# Altium PCB qudong.PcbDoc
Units mil, origin at the board's own origin, x right, y up, seen from the top; angles counter-clockwise.
Board outline 6000 x 4000 mil, 2 copper layers (Top Layer, Bottom Layer); 53 components, 35 nets, 155 pads, 45 vias.
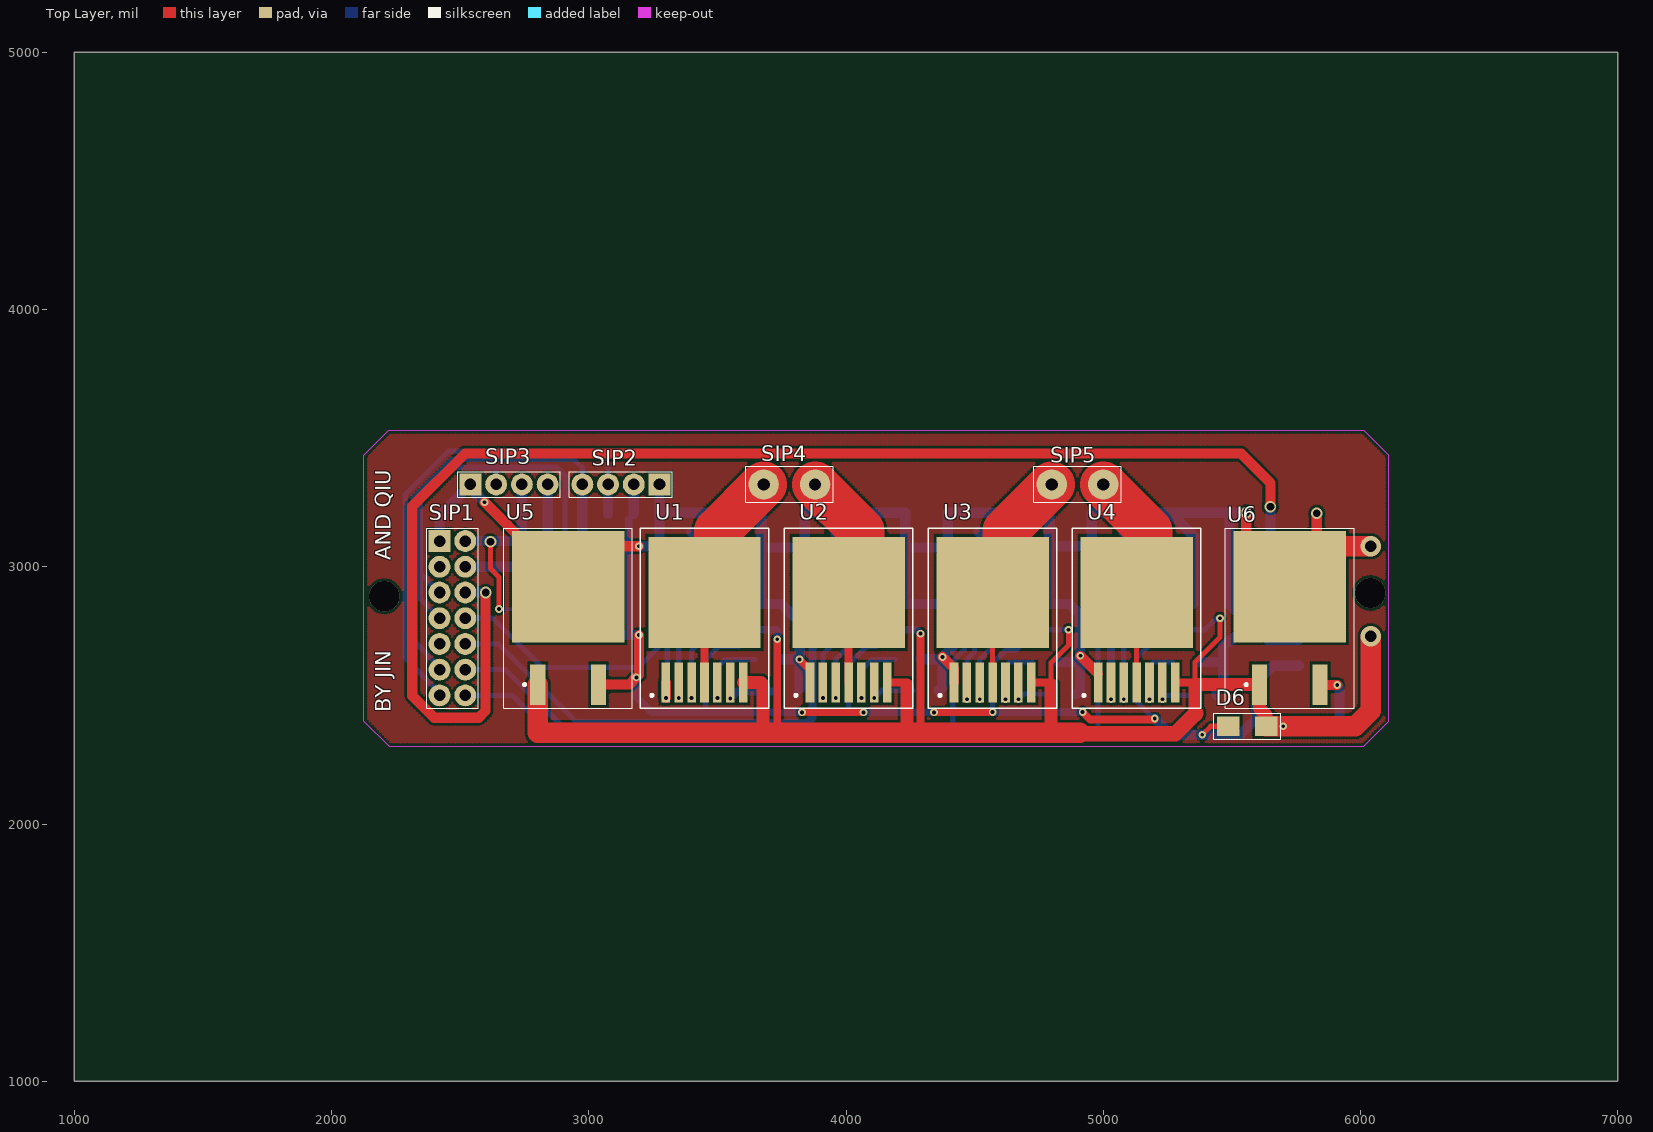
[diagram p0: Top Layer view]
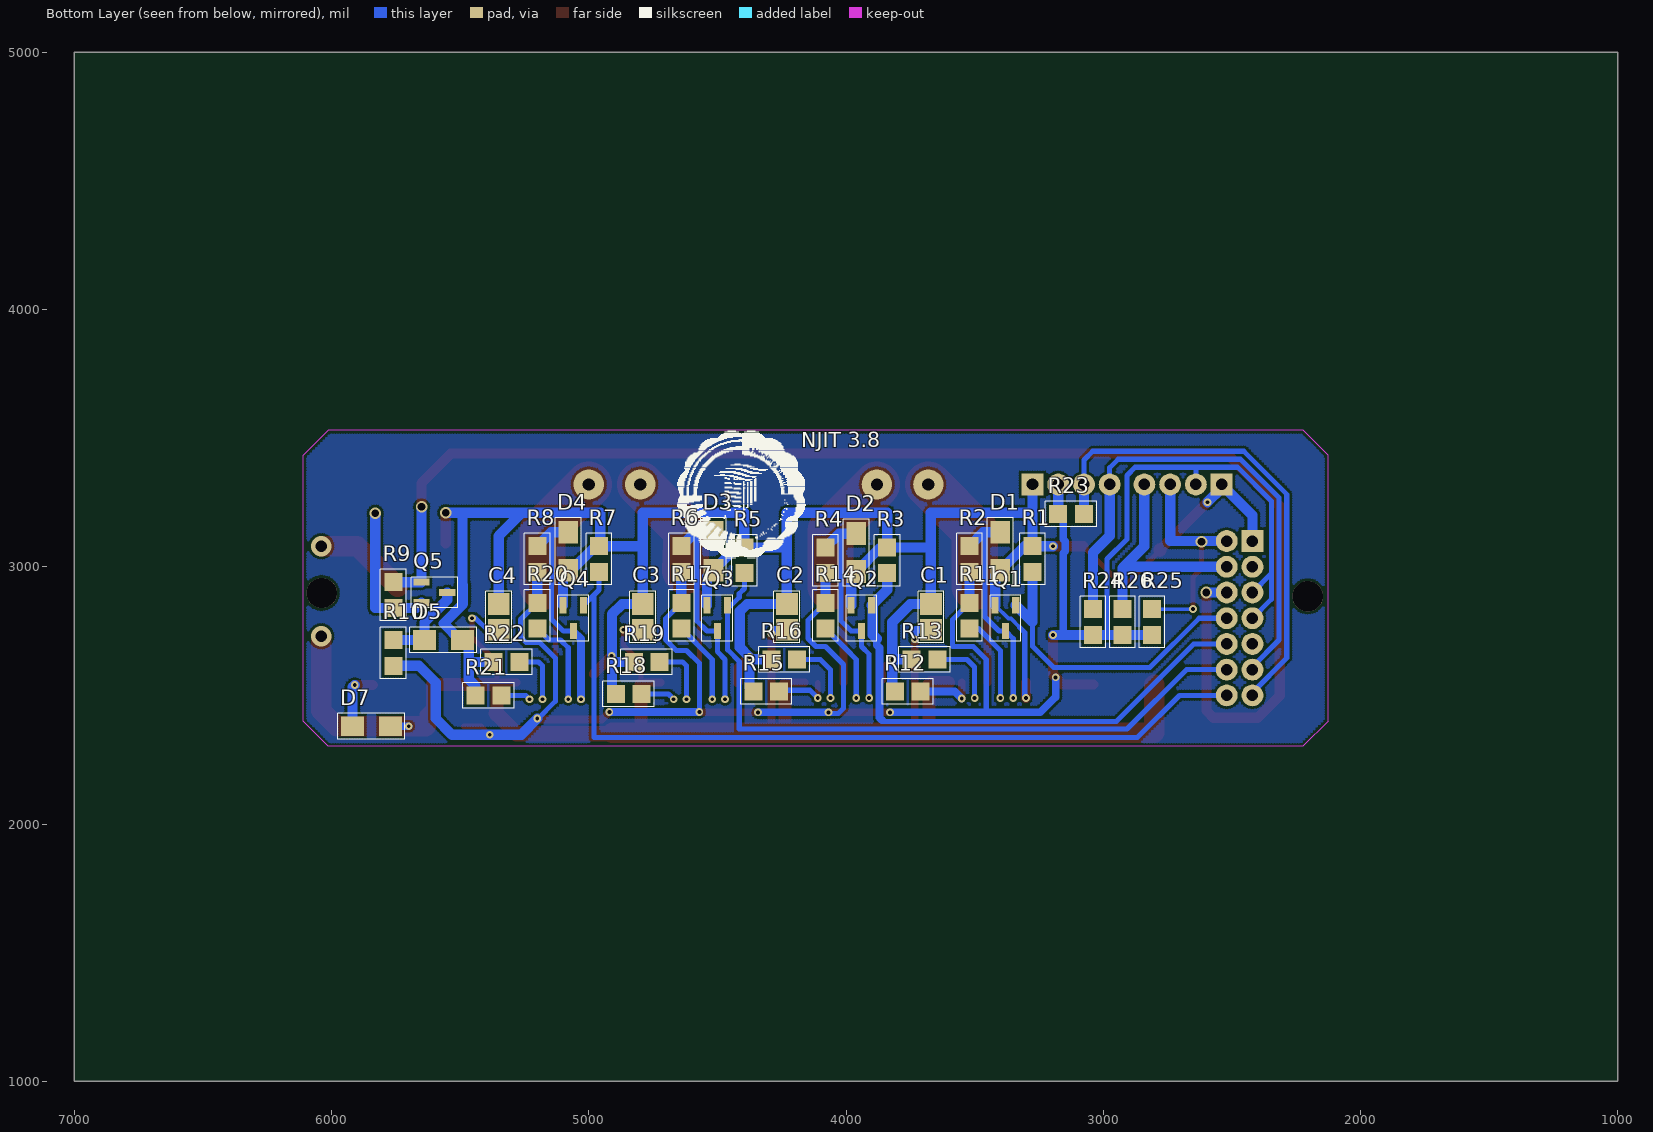
[diagram p1: Bottom Layer view, seen from below]

## Layer stack, top to bottom
Top Layer: signal copper 1.4
Dielectric: dielectric 12.6, FR-4, Dk 4.8
Bottom Layer: signal copper 1.4

## Board outline
1000,1000 7000,1000 7000,5000 1000,5000

## Design rules (kind name [scope] priority, off if disabled: settings)
Clearance [All] p1: gap=10
PolygonConnect [All] p1: connectstyle=Relief reliefconductorwidth=10 reliefentries=4 polygonreliefangle="90 Angle"
RoutingVias [All] p1: holewidth=15 width=30 viastyle="Through Hole" minholewidth=10 minwidth=20 maxholewidth=20 maxwidth=50
SilkscreenOverComponentPads [All] p1: minsilkscreentomaskgap=10
SolderMaskExpansion [All] p1: expansion=4
Width [All] p1: maxlimit=1000 minlimit=10 preferedwidth=20
27 further rules are at their usual default settings.

## Components (designator, comment, footprint, x,y, rotation, side; value= is the part's Value field where it differs from the comment)
C1 "470NF" CAP-T 3670,2755 r90 bottom
C2 "470NF" CAP-T 4230,2755 r90 bottom
C3 "470NF" CAP-T 4790,2755 r90 bottom
C4 "470NF" CAP-T 5350,2755 r90 bottom
D1 "SS24" SS24 3400,3060 r90 bottom
D2 "SS24" SS24 3960,3055 r90 bottom
D3 "SS24" SS24 4515,3060 r90 bottom
D4 "SS24" SS24 5080,3060 r90 bottom
D5 "SS24" SS24 5565,2715 r0 bottom
D6 "SS24" SS24 5560,2380 r0 top
D7 "SS24" SS24 5845,2380 r180 bottom
Q1 "SI2302" SI2302 3380,2800 r0 bottom
Q2 "SI2302" SI2302 3940,2800 r0 bottom
Q3 "SI2302" SI2302 4500,2800 r0 bottom
Q4 "SI2302" SI2302 5060,2800 r0 bottom
Q5 "SI2302" SI2302 5600,2900 r270 bottom
R1 "4.7K" RES-T 3275,3080 r270 bottom
R2 "4.7K" RES-T 3520,3080 r270 bottom
R3 "4.7K" RES-T 3840,3075 r270 bottom
R4 "4.7K" RES-T 4080,3075 r270 bottom
R5 "4.7K" RES-T 4395,3075 r270 bottom
R6 "4.7K" RES-T 4640,3080 r270 bottom
R7 "4.7K" RES-T 4960,3080 r270 bottom
R8 "4.7K" RES-T 5200,3080 r270 bottom
R9 "4.7K" RES-T 5760,2840 r90 bottom
R10 "4.7K" RES-T 5760,2715 r270 bottom
R11 "10K" RES-T 3520,2860 r270 bottom
R12 "1K" RES-T 3810,2515 r180 bottom
R13 "0" RES-T 3745,2640 r180 bottom
R14 "10k" RES-T 4080,2760 r90 bottom
R15 "1K" RES-T 4360,2515 r180 bottom
R16 "0" RES-T 4290,2640 r180 bottom
R17 "10k" RES-T 4640,2760 r90 bottom
R18 "1K" RES-T 4895,2505 r180 bottom
R19 "0" RES-T 4825,2630 r180 bottom
R20 "10k" RES-T 5200,2760 r90 bottom
R21 "1K" RES-T 5440,2500 r180 bottom
R22 "0" RES-T 5370,2630 r180 bottom
R23 "4.7K" RES-T 3075,3205 r0 bottom
R24 "4.7K" RES-T 3040,2835 r270 bottom
R25 "4.7K" RES-T 2810,2835 r270 bottom
R26 "4.7K" RES-T 2925,2835 r270 bottom
SIP1 "SIP7*2" SIP7*2 2420,3100 r0 top
SIP2 "SIP4" SIP4 3275,3320 r270 top
SIP3 "SIP4" SIP4 2540,3320 r90 top
SIP4 "OUT1" SIP2-3MM 3680,3320 r0 top
SIP5 "OUT2" SIP2-3MM 4800,3320 r0 top
U1 "BTN7971" BTN7971 3500,2800 r0 top
U2 "BTN7971" BTN7971 4060,2800 r0 top
U3 "BTN7971" BTN7971 4620,2800 r0 top
U4 "BTN7971" BTN7971 5180,2800 r0 top
U5 "LM7805-T" LM7805-T 2920,2900 r0 top
U6 "LM7805-T" LM7805-T 5725,2900 r0 top

## Footprints (in the part's own frame and the unit in brackets; to place one, negate y for a bottom-side part, rotate by r counter-clockwise, add the part's x,y. Pads: shape width x height; smd on the part's side, far side on the other; paste and mask are expansions set on the pad)
BTN7971 [mm] "TO, 8-Pads, Body 9.5x11.0mm (max), IPC Medium Density"
  rect 0.85x3.95 smd: 1(-5.08,-6.35) 2(-3.81,-6.35) 3(-2.54,-6.35) 4(-1.27,-6.35) 5(0,-6.35) 6(1.27,-6.35) 7(2.54,-6.35)
  rect 11.1x11 smd: 8(-1.27,2.54)
  silkscreen extent -7.62,-8.89 5.08,8.89
CAP-T [mil]
  rect 85x85 smd: 1(0,0) 2(100,0)
  silkscreen extent -50,-50 150,50
LM7805-T [mm] "TO, 3-Pads, Body 9.0x11.0mm (max), IPC Medium Density"
  rect 11.1x11 smd: 1(0,0.56)
  rect 1.5x4 smd: 2(-3,-9.09) 3(3,-9.09)
  silkscreen extent -6.35,-11.43 6.35,6.35, body extent -5.5,-4.59 5.5,4.41, height 5
RES-T [mil]
  rect 70x70 smd: 1(0,0) 2(100,0)
  silkscreen extent -50,-50 150,50
SI2302 [mm] "SOT23, 3-Leads, Body 3.0x2.6mm (max), Pitch 0.90mm, IPC Medium Density"
  rect 0.7x1.6 smd: 1(-1.016,-1.27) 2(1.016,-1.27) 3(0,1.27)
  silkscreen extent -1.52,-2.29 1.52,2.29
SIP2-3MM [mm]
  round 3 hole 1.2: 1(0,0) 2(5.08,0)
  silkscreen extent -1.78,-1.78 6.86,1.78
SIP4 [mil]
  rect 85x85 hole 45: 1(0,0)
  round 85 hole 45: 2(0,-100) 3(0,-200) 4(0,-300)
  silkscreen extent -50,-350 50,50
SIP7*2 [mil]
  rect 85x85 hole 45: 1(0,0)
  round 85 hole 45: 2(0,-100) 3(0,-200) 4(0,-300) 5(0,-400) 6(0,-500) 7(0,-600) 8(100,-600) 9(100,-500) 10(100,-400) 11(100,-300) 12(100,-200) 13(100,-100) 14(100,0)
  silkscreen extent -50,-650 150,50
SS24 [mm] "Molded Capacitor, 2-Leads, Body 4.5x3.0mm, IPC Medium Density"
  rect 2.25x1.95 smd: 1(-1.875,0) 2(1.875,0)
  silkscreen extent -3.3,-1.27 3.3,1.27

## Part data
C1 C2 C3 C4: library part CAP-T
R1 R2 R3 R4 R5 R6 R7 R8 R9 R10 R11 R12 R13 R14 R15 R16 R17 R18 R19 R20 R21 R22 R23 R24 R25 R26: library part RES-T
SIP4 SIP5: library part SIP2

## Free pads (board coordinates)
  round 118.11 hole 118.11: 0(6038,2898) 3(2205,2885)

## Via types
v1: diameter 30, hole 15, Top Layer to Bottom Layer, 38 vias
v2: diameter 45, hole 30, Top Layer to Bottom Layer, 5 vias
v3: diameter 80, hole 45, Top Layer to Bottom Layer, 2 vias

## Nets (pads, with @x,y where several pads share a name; then routed paths per layer and width w, separated by ;. In a path a pad name is that pad's centre, name@x,y a point inside that pad or via, vN(x,y) a via of type N, cw(c..) or ccw(c..) an arc to the next point about the centre after c; other vN are vias at no path point)
GND: C1.2 C2.2 C3.2 C4.2 D1.1 D2.1 D3.1 D4.1 D5.1 Q1.2 Q2.2 Q3.2 Q4.2 Q5.2 R1.1 R3.1 R5.1 R7.1 R9.1 R12.1 R13.1 R15.1 R16.1 R18.1 R19.1 R21.1 R22.1 SIP1.1 SIP2.1 SIP3.1 U1.1 U2.1 U3.1 U4.1 U5.1 U6.1 | length 11826.2
  Top Layer w20: 2637.05,3205 2778.95,3063.1 U5.1 U5.1@3077.95,3080
  Top Layer w30: v1(3819,2640) 3860,2599 U2.1@3860,2560
  Top Layer w40: v1(2595,3251) U5.1@2778.95,3067.05 ; U5.1@3077.95,3080 v1(3195,3080) ; v1(3300,2490) U1.1 ; v1@4375,2650 4420,2605 U3.1 ; v1@4910,2653.46 U4.1@4980,2583.46 ; U6.1@5556.29,3090.76 v2(5556.29,3210) ; U6.1@5742.05,2922.05 U6.1 5830,3027.05 v2(5830,3208)
  Top Layer w50: U5.1@2778.95,3063.1 U5.1@2778.95,3067.05
  Top Layer w80: U6.1@5742.05,2922.05 5900,3080 v3(6040,3080)
  Bottom Layer w15: 3325,2765.02 3358.97,2799 3369,2799 Q1.2
  Bottom Layer w20: SIP3.1@2535,3315 SIP3.1 ; v1(3300,2490) 3305,2495 3305,2745 3325,2765 ; R12.1 3820,2525 3830,2535 3830,2590
  Bottom Layer w40: SIP1.1 2420,3200 SIP3.1@2535,3315 ; SIP3.1@2540,3306 v1(2595,3251) ; v1(3195,3080) R1.1 ; SIP2.1 3275,3210 ; Q1.2 3420,2966.18 3306.18,3080 R1.1 ; 3670,3075 R3.1 ; 3670,3201 C1.2 3750,2855 3820,2785 v1@3820,2640 ; 3670,3210 3275,3210 ; R13.1 v1(3819,2640) v1@3820,2640 ; R12.1@3820,2525 v1@3820,2640 ; 3840,3201 R3.1 ; 3840,3210 4230,3210 4230,3075 ; Q2.2 3980,2961.18 D2.1 3866.18,3075 R3.1 ; R16.1 4366.33,2640 v1@4375,2648.67 ; R15.1 R15.1@4365,2520 ; R15.1@4360,2520 R15.1@4365,2520 ; Q3.2 4540,2961.18 D3.1 4426.18,3075 R5.1 ; 4790,3080 R7.1 4973.82,3080 D4.1@5073.82,2980 ; R19.1 4904.12,2630 4905.29,2631.18 ; R18.1 4910,2520 4910,2630 ; v1@4910,2654 4910,2815 4870,2855 C3.2 4790,3210 4395,3210 R5.1 ; R7.1@4955,3085 4955,3210 5260,3210 ; D4.1 D4.1@5073.82,2980 ; Q4.2 5100,2960 5080,2980 D4.1@5073.82,2980 ; C4.2 5350,3120 5260,3210 ; R22.1 5465,2630 ; R21.1 5440,2536 5467,2563 5467,2690.82 D5.1 5500.06,2715 5564.53,2779.47 5488.5,2855.5 5488.5,2928.88 5491.18,2931.56 5491.18,3204.82 5486,3210 ; v2(5556.29,3210) 5486,3210 ; Q5.2 5670,2840 R9.1 5830,2840 v2(5830,3208) ; R1.1 3275,3210 ; 4230,3075 R5.1 ; 4230,3075 C2.2 4385,2855 4413,2827 4413,2686.67 v1(4375.17,2648.83) v1@4375,2648.67 ; R15.1@4365,2520 4375,2530 v1@4375,2648.67 ; 5260,3210 5486,3210
  Bottom Layer w50: SIP3.1@2540,3306 SIP3.1
  other v1: 4911,2654
NetR11_2: R11.2 U1.3 | length 400.2
  Top Layer w20: v1(3400,2490) U1.3
  Bottom Layer w20: v1(3400,2490) 3400,2675 3485,2760 R11.2
NetR12_2: R12.2 U1.6 | length 233.2
  Top Layer w30: v1(3550,2488) U1.6
  Bottom Layer w30: v1(3550,2488) 3577,2515 R12.2
NetR13_2: R13.2 U1.5 | length 340.4
  Top Layer w20: v1(3500,2490) U1.5
  Bottom Layer w20: v1(3500,2490) 3500,2610 3530,2640 3600,2640 ; 3597,2640 3600,2640 ; R13.2 3600,2640
NetR14_1: R14.1 U2.3 | length 319.7
  Bottom Layer w20: v1(3960,2490) 3960,2640 4000,2680 R14.1
NetR15_2: R15.2 U2.6 | length 222.4
  Top Layer w20: v1(4110,2490) U2.6
  Bottom Layer w20: v1(4110,2490) 4140,2520 R15.2@4260,2520
NetR16_2: R16.2 U2.5 | length 343.6
  Top Layer w20: v1(4060,2490) U2.5
  Bottom Layer w20: v1(4060,2490) 4060,2600 4100,2640 R16.2 R16.2@4163,2640
NetR17_1: R17.1 U3.3 | length 324.7
  Bottom Layer w20: v1(4520,2485) 4520,2640 R17.1
NetR18_2: R18.2 U3.6 | length 133.3
  Bottom Layer w20: v1(4670,2485) 4690,2505 R18.2
NetR19_2: R19.2 U3.5 | length 241.2
  Bottom Layer w20: v1(4620,2485) 4620,2615 4635,2630 R19.2
NetR20_1: R20.1 U4.3 | length 351.1
  Bottom Layer w20: v1(5080,2485) 5080,2685 5110,2715 5155,2715 R20.1
NetR21_2: R21.2 U4.6 | length 116.2
  Bottom Layer w20: v1(5230,2485) 5245,2500 R21.2
NetR22_2: R22.2 U4.5 | length 226.2
  Bottom Layer w20: v1(5180,2485) 5180,2615 5195,2630 R22.2
OUT1: SIP4.1 U1.4 U1.8 | length 822.5
  Top Layer w30: U1.4 U1.8
  Top Layer w180: U1.8@3500,2922.05 3500,3140 SIP4.1
OUT2: SIP4.2 U2.4 U2.8 | length 822.5
  Top Layer w30: U2.4 U2.8
  Top Layer w180: SIP4.2 4060,3140 U2.8@4060,2922.05
OUT3: SIP5.1 U3.4 U3.8 | length 824.5
  Top Layer w20: U3.4 U3.8
  Top Layer w40: U3.8@4620,2922.05 4620,2980.33 U3.8@4624.7,2985.03
  Top Layer w180: U3.8@4624.7,2985.03 4620,3140 SIP5.1
OUT4: SIP5.2 U4.4 U4.8 | length 824.6
  Top Layer w20: U4.4 5130,2895 U4.8@5135,2900
  Top Layer w180: SIP5.2 5180,3140 U4.8@5180,2922.05
PWM1: D1.2 Q1.3 R2.1 U1.2 | length 900.1
  Top Layer w20: v1(3350,2490) U1.2
  Bottom Layer w20: v1(3350,2490) 3350,2720 Q1.3 3405,2750 3460,2805 3460,3127.64
  Bottom Layer w40: D1.2 3466.18,3133.82 R2.1
PWM1_: Q1.1 R1.2 SIP1.11 | length 1249.7
  Bottom Layer w20: SIP1.11 2626.97,2800 2818.86,2608.11 3192.11,2608.11 3275,2691 3275,2785
  Bottom Layer w40: R1.2 3275,2785 Q1.1
PWM2: D2.2 Q2.3 R4.1 U2.2 | length 854.3
  Bottom Layer w20: v1(3910,2490) 3910,2660 3940,2690 Q2.3 3980,2750 4020,2790 4020,3122.64 4026.18,3128.82 ; D2.2@3958.82,3130 D2.2
  Bottom Layer w40: D2.2 4026.18,3128.82 R4.1
PWM2_: Q2.1 R3.2 SIP1.10 | length 2077.1
  Bottom Layer w20: SIP1.10 2648,2700 2949,2399 3860,2399
  Bottom Layer w30: 3860,2404 3870,2414 3870,2685 3880,2695 3880,2720
  Bottom Layer w40: R3.2 3840,2910 Q2.1 3896.22,2846.22 3896.22,2736.22 3880,2720
PWM3: D3.2 Q3.3 R6.1 U3.2 | length 867.7
  Bottom Layer w20: v1(4470,2485) 4470,2640 4500,2670 Q3.3 4540,2750 4580,2790 4580,3127.64 4586.18,3133.82
  Bottom Layer w40: D3.2 4586.18,3133.82 R6.1
PWM3_: Q3.1 R5.2 SIP1.9 | length 2642.2
  Bottom Layer w20: SIP1.9 2676.57,2600 2907.57,2369 4415,2369 4415,2632.1 4460,2677.1 4460,2836.57 4415,2881.57 4415,2895 4395,2915 R5.2
PWM4: D4.2 Q4.3 R8.1 U4.2 | length 862.6
  Bottom Layer w20: Q4.3 5098.79,2750 5145,2796.21 5145,3132.64 5146.18,3133.82
  Bottom Layer w30: v1(5030,2485) 5030,2720 Q4.3
  Bottom Layer w40: D4.2 5146.18,3133.82 ; 5145,3132.64 5147.36,3132.64 R8.1
PWM4_: Q4.1 R7.2 SIP1.8 | length 3236.8
  Bottom Layer w20: SIP1.8 2704,2500 2868,2336 4980,2336 4980,2890 ; R7.2 4960,2910 4980,2890 ; Q4.1 4980,2890
SERVO_PWM: D5.2 Q5.3 R10.1 | length 343
  Bottom Layer w40: Q5.3 5550,2872.3 5638.82,2783.48 D5.2 R10.1
SERVO_PWM_: Q5.1 R9.2 SIP1.12 | length 5571.3
  Top Layer w40: v2@2598.5,2900 2598.5,2439.5 2572,2413 2399,2413 2314,2498 2314,3235 2519,3440 5536,3440 5650,3326 v2(5650,3233)
  Bottom Layer w40: SIP1.12 v2(2599,2900) ; v2(5650,3233) Q5.1 R9.2
T1: R24.1 SIP1.6 SIP2.4 | length 2022.4
  Bottom Layer w20: SIP1.6 2420,2611.61 2316.5,2715.11 2316.5,3268.5 2466,3418 2942,3418 2975,3385 SIP2.4
  Bottom Layer w40: SIP2.4 2975,3120 3040,3055 R24.1
T2: R23.1 SIP1.7 SIP2.3 | length 1918.8
  Bottom Layer w20: SIP1.7 2420,2511.61 2286.5,2645.11 2286.5,3281.5 2454,3449 3041,3449 3075,3415 SIP2.3
  Bottom Layer w40: R23.1 SIP2.3
T3: R25.1 SIP1.14 SIP3.3 | length 861.4
  Top Layer w20: v2(2618,3097) 2618,2993 2651.5,2959.5 v1@2651.5,2836.5
  Bottom Layer w15: v1@2663,2835 R25.1
  Bottom Layer w40: SIP1.14 2740,3100 SIP3.3
  other v1: 2651,2836
T4: R26.1 SIP1.13 SIP3.4 | length 920.2
  Bottom Layer w40: SIP1.13 2920,3000 ; SIP3.4 2840,3080 2920,3000 ; R26.1 2925,2995 2920,3000
VCC-3.3V: SIP1.2
VCC-5-SERVO: D7.1 U6.3 | length 233.7
  Top Layer w40: U6.3@5840,2540 v1(5910,2540)
  Bottom Layer w40: v1(5910,2540) 5918.82,2531.18 D7.1
VCC-5V: D6.1 R2.2 R4.2 R6.2 R8.2 R10.2 R11.1 R14.2 R17.2 R20.2 R23.2 R24.2 R25.2 R26.2 SIP1.3 SIP1.4 SIP2.2 SIP3.2 U5.3 | length 8996.4
  Top Layer w20: v1(5385,2347) 5418,2380 D6.1 D6.1@5487,2379.18
  Top Layer w30: v1(3829,2434) v1(4068,2434) ; v1(4342,2434) v1@4570,2434 ; v1(4920,2435) 4949,2406 v1@5200,2406
  Top Layer w40: U5.3 3157.13,2542.13 v1(3185,2570) 3195,2580 v1(3195,2735)
  Bottom Layer w20: SIP1.4 2346.5,2873.5 2346.5,2973.5 ; SIP1.3 2346.5,2973.5 ; SIP3.2 2640,3386.95 2876.05,3386.95 2908.05,3354.95 2908.05,3106.95 2985,3030 2985,2735 ; 2640,3387 2477.43,3387 2346.5,3256.07 2346.5,2973.5 ; R24.2 R24.2@3052.43,2735 ; R23.2@3155,3185 R23.2 ; 3455,2435 3455,2640 3505,2690 3586,2690 3586,2794 R11.1 ; v1@4070,2430 4030,2430 4010,2450 4010,2620 4080,2690 4117,2690 4148,2721 4148,2792 R14.2 ; v1(4570,2435) 4570,2625 4620,2675 4660,2675 4702,2717 4702,2798 R17.2 ; v1@5198.5,2408.5 5130,2477 5130,2645 5190,2705 5243.28,2705 5265,2726.72 5265,2795 R20.2
  Bottom Layer w30: 3155,2749 3155,3052.82 3147.5,3060.32 3147.5,3099.68 3155,3107.18 R23.2@3155,3185 ; v1(3185,2570) 3185,2494 3245,2434 v1(3829,2434) ; v1(4068,2434) v1(4342,2434) ; v1(4570,2435) v1(4920,2435)
  Bottom Layer w40: R25.2 R26.2 2985,2735 R24.2 ; R24.2@3052.43,2735 v1(3195,2735) ; R23.2 SIP2.2 ; R11.1 R2.2 ; R14.2 R4.2 ; R17.2 R6.2 ; v1(5200,2410) 5263,2347 v1(5385,2347) 5532,2347 5595,2410 5595,2550 5660,2615 R10.2 ; R20.2 R8.2
VCC-7.2V: C1.1 C2.1 C3.1 C4.1 D6.2 D7.2 U1.7 U2.7 U3.7 U4.7 U5.2 U6.2 | length 6782.4
  Top Layer w20: 4237.17,2515 4237.17,2540 4237.17,2542.13 ; 4797.17,2507 4797.17,2542.13 4797.17,2627.17 4865,2695 v1(4865,2755) ; 5357.17,2516 5357.17,2540 5357.17,2542.13 5357.17,2542.83 5357.17,2629.17 5454,2726 v1(5454,2800)
  Top Layer w30: 3733,2342 3733,2355 v1(3733,2718) ; U2.7 4230,2550 4237.52,2542.48 4240,2540 ; 4290,2350 4290,2355 v1(4290,2740) ; U3.7 4790,2550 4795,2545 ; U4.7 5350,2550 5357.17,2542.83 5357.87,2542.13 5360,2540
  Top Layer w50: U1.7@3601.73,2550 3669.29,2550 3677.17,2542.13 3677.17,2355 3677.17,2343.83 ; 4237.17,2344.17 4237.17,2355 4237.17,2540 ; 4797.17,2341.83 4797.17,2355 4797.17,2542.13 ; 5357.17,2425.17 5357.17,2427.17 5357.17,2540 ; 5357.17,2542.13 5357.87,2542.13 U6.2 5606.89,2450.11 5633.82,2423.18 D6.2
  Top Layer w60: 4908.08,2355 4912.08,2351 5281,2351 5357.17,2427.17 5360,2430
  Top Layer w80: U5.2 2801.89,2355 3677.17,2355 3733,2355 4237.17,2355 4290,2355 4797.17,2355 4908.08,2355 ; D6.2 v1(5700,2380) 5980,2380 6040,2440 v3(6040,2730)
  Bottom Layer w20: C3.1 v1(4865,2755) ; C4.1 5395,2755 5440,2800 v1(5454,2800)
  Bottom Layer w30: C1.1 3728,2755 3733,2750 v1(3733,2718) ; C2.1 4275,2755 v1(4290,2740) ; v1(5700,2380) D7.2
pads on no net: SIP1.5

## Polygon pours and split planes (outlines as drawn)
no net on Bottom Layer "Mechanical 1-No Net" (hatched 90Degree grid 10 track 10): 2224,2303 2225,2302 6013,2302 6013,2303 6110,2400 6110,3433 6013,3530 2223,3530 2126,3433 2126,2400 2127,2400 2225,2302
no net on Bottom Layer "Mechanical 1-No Net" (hatched 90Degree grid 10 track 10): 2225,2301 2226,2302 6013,2302 6014,2302 6109,2397 6110,2398 6110,3434 6014,3530 2222,3530 2127,3435 2126,3434 2126,2400 2127,2400 2225,2302
no net on Top Layer "Mechanical 1-No Net" (hatched 90Degree grid 10 track 10): 6111,2400 6110,2401 6110,3432 6110,3433 6013,3530 2223,3530 2223,3529 2126,3432 2126,2400 2127,2400 2224,2303 2225,2302 6013,2302 6111,2400

## Keep-outs
Keep-Out Layer:
  lines w3: 2126,2599 2126,3176 2126,3433 2223,3530 2482,3530 ; 2126,2601 2126,2400 2224,2302 6013,2302 6110,2399 6110,3433 6013,3530 5745,3530 ; 2480,3530 5746,3530

## Silkscreen, mask and mechanical layers (free items; w line width, h text height)
Top Overlay:
  text "AND QIU" at 2230,3025 h60 r90
  text "BY JIN" at 2231,2434 h60 r90
Bottom Overlay:
  drawing of 657 lines, arcs and shapes, not listed
  text "NJIT 3.8" at 4173,3445 h100